# Allegro board 6089-119-RevA_41.brd (continued)
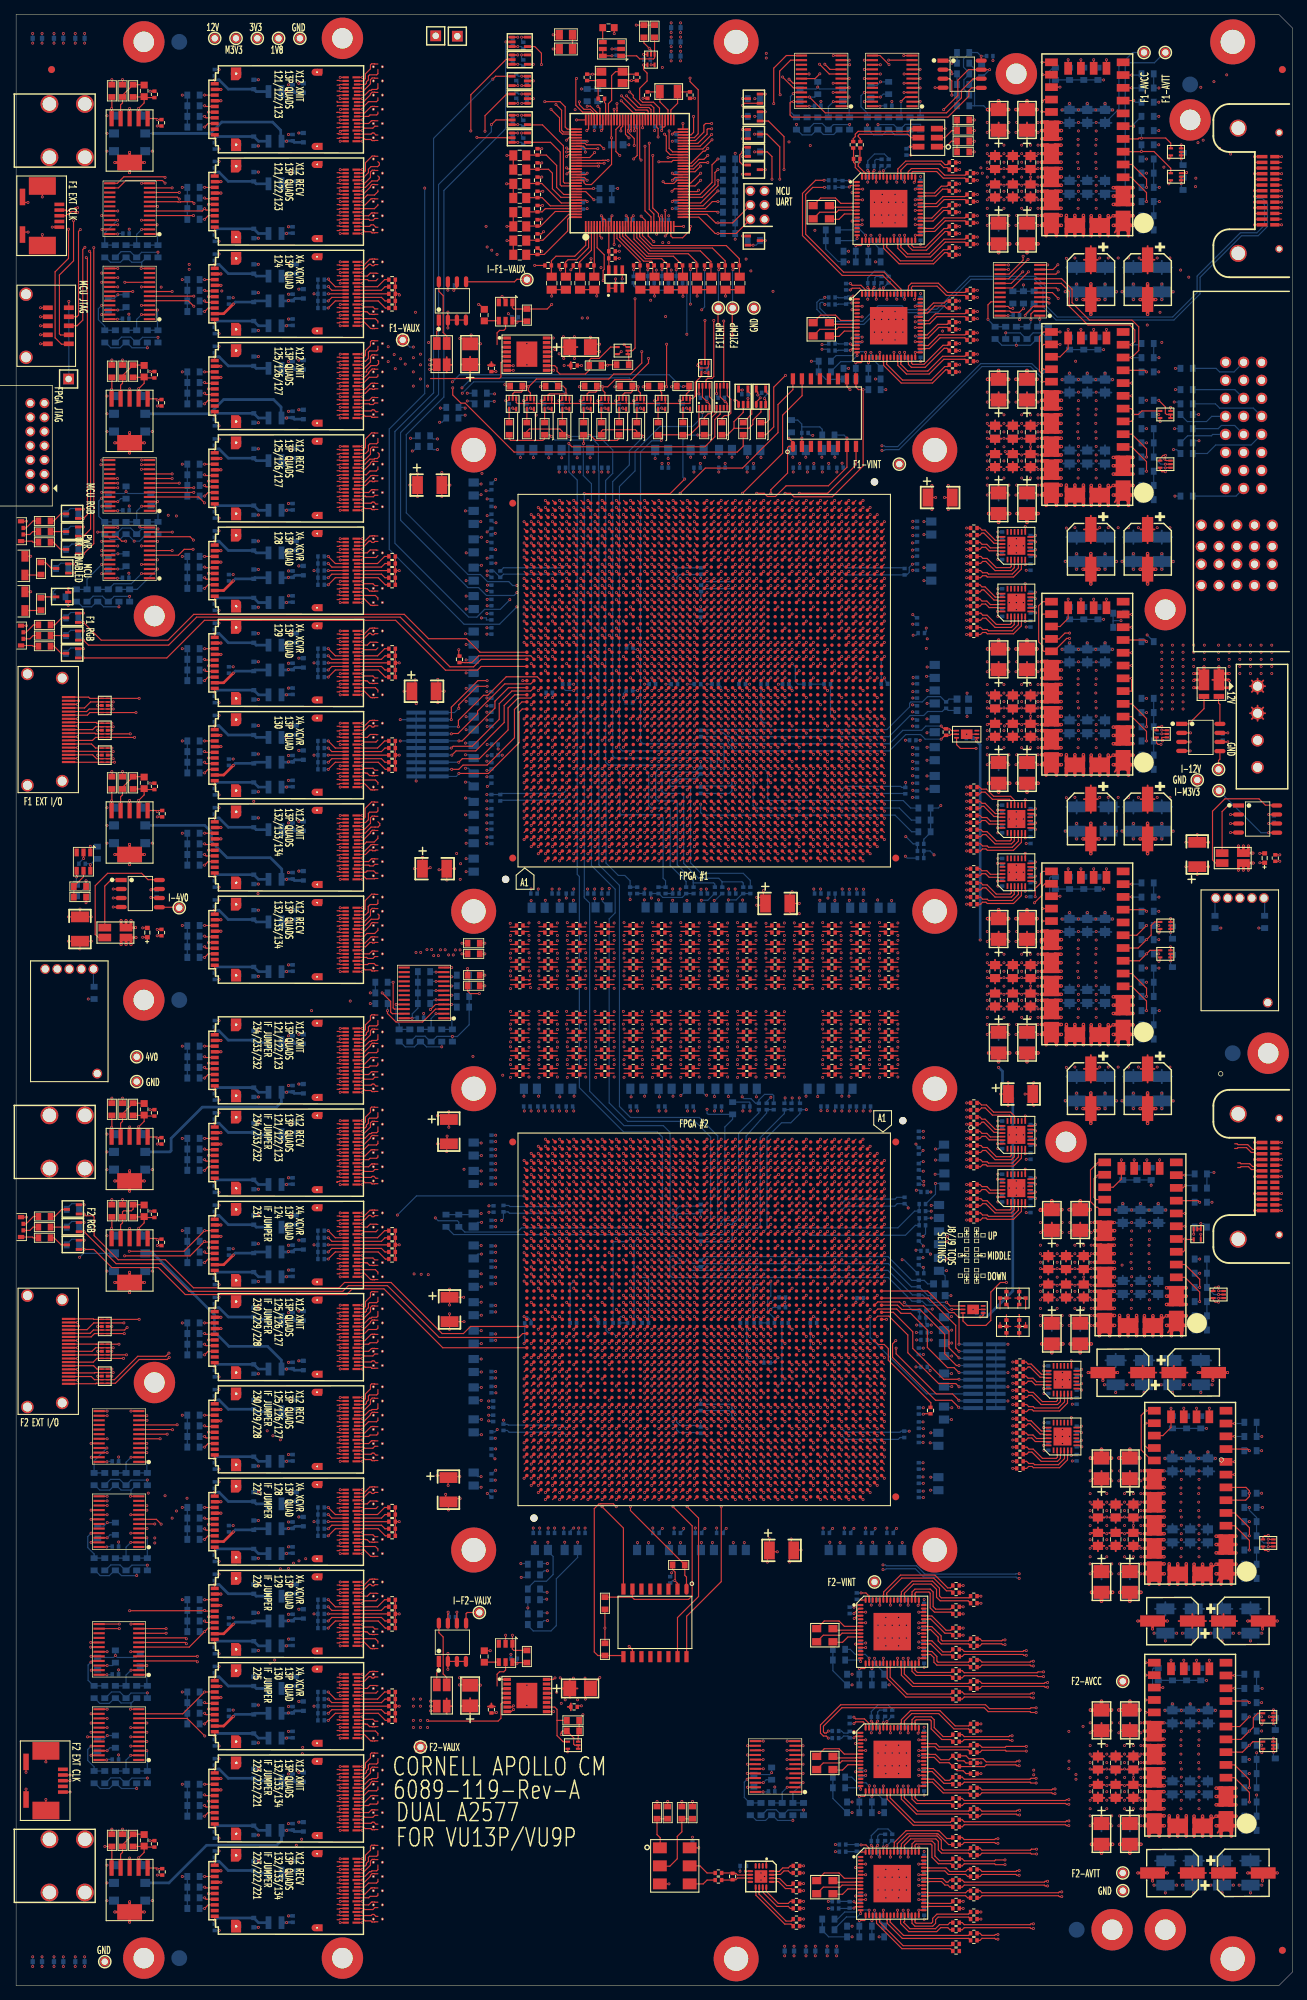
[diagram p0: board, top side]
## Routing (per net, layer and track width the routed paths; a pad name or vN(x,y) marks a point on that pad's centre or on a via; arc(x,y) is an arc through that point) (continued)
50.37,143.02 ; VA52.3 50.04,143.72 ; 50.37,266.02 VA3.3 ; VA3.3 49.98,266.4 ; VA3.3 50.04,266.72 ; VA3.3 50.04,266.08 ; VA3.3 49.95,266.59 ; VA3.3 49.95,266.21 ; VA3.3 50.18,265.99 ; VA3.3 50.37,266.78 ; VA12.4 51.96,247.72 ; VA12.4 52.05,247.59 ; VA12.4 52.05,247.21 ; VA12.4 52.02,247.4 ; VA12.4 51.63,247.02 ; VA12.4 51.96,247.08 ; VA12.4 51.82,247.81 ; VA12.4 51.63,247.78 ; VA3.4 51.96,266.72 ; VA3.4 51.82,266.81 ; VA3.4 51.63,266.78 ; VA3.4 51.63,266.02 ; VA3.4 52.02,266.4 ; VA3.4 51.96,266.08 ; VA3.4 52.05,266.59 ; VA3.4 52.05,266.21 ; J6.20 2.64,82 ; J6.20 1.15,80.51 ; J6.20 1.6,82.62 ; J6.20 2.4,80.75 ; J6.20 2.05,82.6 ; J6.20 2.66,81.55 ; J6.20 1.6,80.48 ; J6.20 2.4,82.36 ; U1.3 8.17,143.94 ; U1.3 7.5,142.39 ; U1.3 7.88,144.14 ; U1.3 6.83,142.6 ; U1.3 7.5,144.14 ; U1.3 7.12,142.4 ; U1.3 6.83,143.94 ; U1.3 8.17,142.6 ; 50.37,208.02 VA28.3 ; VA28.3 50.37,208.78 ; VA28.3 50.18,207.99 ; VA28.3 50.04,208.08 ; VA28.3 49.95,208.21 ; VA28.3 50.04,208.72 ; VA28.3 49.95,208.59 ; VA28.3 49.98,208.4 ; 50.04,50.22 VA87.4 ; VA87.4 49.98,49.9 ; VA87.4 50.04,49.58 ; VA87.4 50.37,49.52 ; VA87.4 49.95,49.71 ; VA87.4 50.18,49.49 ; VA87.4 50.37,50.28 ; VA87.4 49.95,50.09 ; J5.20 2.64,169.6 ; J5.20 2.4,169.96 ; J5.20 1.6,170.22 ; J5.20 1.15,168.11 ; J5.20 2.4,168.35 ; J5.20 2.66,169.15 ; J5.20 1.6,168.08 ; J5.20 2.05,170.2 ; 50.37,145.02 VA51.3 ; VA51.3 50.04,145.08 ; VA51.3 50.04,145.72 ; VA51.3 50.37,145.78 ; VA51.3 49.98,145.4 ; VA51.3 50.18,144.99 ; VA51.3 49.95,145.21 ; VA51.3 49.95,145.59 ; 49.95,69.71 VA81.3 ; VA81.3 50.04,69.58 ; VA81.3 49.98,69.9 ; VA81.3 50.18,69.49 ; VA81.3 49.95,70.09 ; VA81.3 50.04,70.22 ; VA81.3 50.37,70.28 ; VA81.3 50.37,69.52 ; 50.37,203.52 VA29.3 ; VA29.3 50.37,204.28 ; VA29.3 50.18,203.49 ; VA29.3 50.04,204.22 ; VA29.3 49.95,204.09 ; VA29.3 49.95,203.71 ; VA29.3 49.98,203.9 ; VA29.3 50.04,203.58 ; VA98.3 50.37,22.78 ; VA98.3 49.98,22.4 ; VA98.3 50.04,22.72 ; VA98.3 49.95,22.21 ; VA98.3 49.95,22.59 ; VA98.3 50.37,22.02 ; VA98.3 50.04,22.08 ; VA98.3 50.18,21.99 ; VA64.3 50.37,113.78 ; VA64.3 49.95,113.59 ; VA64.3 50.04,113.08 ; VA64.3 49.98,113.4 ; VA64.3 50.37,113.02 ; VA64.3 50.04,113.72 ; VA64.3 49.95,113.21 ; VA64.3 50.18,112.99 ; 50.18,213.99 VA25.3 ; VA25.3 49.95,214.59 ; VA25.3 49.95,214.21 ; VA25.3 50.37,214.78 ; VA25.3 49.98,214.4 ; VA25.3 50.37,214.02 ; VA25.3 50.04,214.72 ; VA25.3 50.04,214.08 ; 50.04,149.08 VA49.3 ; VA49.3 49.98,149.4 ; VA49.3 50.04,149.72 ; VA49.3 50.37,149.78 ; VA49.3 49.95,149.59 ; VA49.3 49.95,149.21 ; VA49.3 50.18,148.99 ; VA49.3 50.37,149.02 ; 50.18,90.99 VA72.3 ; VA72.3 49.95,91.21 ; VA72.3 50.04,91.72 ; VA72.3 49.98,91.4 ; VA72.3 50.04,91.08 ; VA72.3 50.37,91.78 ; VA72.3 50.37,91.02 ; VA72.3 49.95,91.59 ; 50.37,34.52 VA92.4 ; VA92.4 50.18,34.49 ; VA92.4 49.95,34.71 ; VA92.4 49.95,35.09 ; VA92.4 50.04,35.22 ; VA92.4 49.98,34.9 ; VA92.4 50.04,34.58 ; VA92.4 50.37,35.28 ; 50.04,257.08 VA7.3 ; VA7.3 49.98,257.4 ; VA7.3 49.95,257.21 ; VA7.3 50.04,257.72 ; VA7.3 49.95,257.59 ; VA7.3 50.37,257.78 ; VA7.3 50.37,257.02 ; VA7.3 50.18,256.99 ; 51.63,264.02 VA4.4 ; VA4.4 51.96,264.08 ; VA4.4 51.96,264.72 ; VA4.4 52.05,264.59 ; VA4.4 51.63,264.78 ; VA4.4 52.02,264.4 ; VA4.4 52.05,264.21 ; VA4.4 51.82,264.81 ; 49.98,160.4 VA44.3 ; VA44.3 49.95,160.59 ; VA44.3 50.37,160.02 ; VA44.3 50.18,159.99 ; VA44.3 50.37,160.78 ; VA44.3 49.95,160.21 ; VA44.3 50.04,160.08 ; VA44.3 50.04,160.72 ; 49.95,76.59 VA79.3 ; VA79.3 50.18,75.99 ; VA79.3 50.04,76.72 ; VA79.3 50.04,76.08 ; VA79.3 49.98,76.4 ; VA79.3 50.37,76.78 ; VA79.3 50.37,76.02 ; VA79.3 49.95,76.21 ; 49.98,106.9 VA66.3 ; VA66.3 50.04,106.58 ; VA66.3 50.18,106.49 ; VA66.3 50.37,107.28 ; VA66.3 50.37,106.52 ; VA66.3 49.95,106.71 ; VA66.3 50.04,107.22 ; VA66.3 49.95,107.09 ; 1.6,96.18 J6.23 ; J6.23 2.4,98.05 ; J6.23 2.05,98.29 ; J6.23 2.4,96.44 ; J6.23 2.66,97.25 ; J6.23 1.15,96.2 ; J6.23 1.6,98.32 ; J6.23 2.64,97.7 ; VA56.4 52.05,130.59 ; VA56.4 51.63,130.78 ; VA56.4 52.05,130.21 ; VA56.4 51.82,130.81 ; VA56.4 52.02,130.4 ; VA56.4 51.96,130.72 ; VA56.4 51.96,130.08 ; VA56.4 51.63,130.02 ; VA52.4 51.96,143.72 ; VA52.4 51.96,143.08 ; VA52.4 52.05,143.21 ; VA52.4 52.05,143.59 ; VA52.4 51.82,143.81 ; VA52.4 51.63,143.02 ; VA52.4 52.02,143.4 ; VA52.4 51.63,143.78 ; J5.21 7.31,168.93 ; J5.21 6.5,168.67 ; J5.21 7.31,170.54 ; J5.21 7.57,169.74 ; J5.21 5.43,169.74 ; J5.21 6.5,170.8 ; J5.21 5.69,168.93 ; J5.21 5.69,170.54 ; 50.04,84.72 VA75.3 ; VA75.3 49.95,84.59 ; VA75.3 49.95,84.21 ; VA75.3 50.37,84.02 ; VA75.3 49.98,84.4 ; VA75.3 50.04,84.08 ; VA75.3 50.37,84.78 ; VA75.3 50.18,83.99 ; 155.12,13.4 PM21.1 ; PM21.1 155.33,12.73 ; PM21.1 156,12.52 ; PM21.1 156.67,12.73 ; PM21.1 156.67,14.07 ; PM21.1 156,14.28 ; PM21.1 156.88,13.4 ; PM21.1 155.33,14.07 ; VA96.3 50.37,26.78 ; VA96.3 49.95,26.21 ; VA96.3 49.95,26.59 ; VA96.3 50.18,25.99 ; VA96.3 50.04,26.72 ; VA96.3 50.37,26.02 ; VA96.3 50.04,26.08 ; VA96.3 49.98,26.4 ; 50.04,121.72 VA60.3 ; VA60.3 50.04,121.08 ; VA60.3 49.95,121.59 ; VA60.3 49.98,121.4 ; VA60.3 50.37,121.78 ; VA60.3 49.95,121.21 ; VA60.3 50.37,121.02 ; VA60.3 50.18,120.99 ; 50.18,163.99 VA42.3 ; VA42.3 50.37,164.78 ; VA42.3 49.95,164.21 ; VA42.3 49.95,164.59 ; VA42.3 50.37,164.02 ; VA42.3 49.98,164.4 ; VA42.3 50.04,164.08 ; VA42.3 50.04,164.72 ; VA32.3 52.02,194.9 ; VA32.3 52.05,195.09 ; VA32.3 51.96,194.58 ; VA32.3 51.96,195.22 ; VA32.3 51.63,195.28 ; VA32.3 52.05,194.71 ; VA32.3 51.63,194.52 ; VA32.3 51.82,195.31 ; 50.18,263.99 VA4.3 ; VA4.3 50.04,264.72 ; VA4.3 49.95,264.21 ; VA4.3 49.98,264.4 ; VA4.3 49.95,264.59 ; VA4.3 50.37,264.78 ; VA4.3 50.37,264.02 ; VA4.3 50.04,264.08 ; 50.04,231.72 VA17.3 ; VA17.3 49.95,231.59 ; VA17.3 50.04,231.08 ; VA17.3 49.98,231.4 ; VA17.3 49.95,231.21 ; VA17.3 50.37,231.78 ; VA17.3 50.18,230.99 ; VA17.3 50.37,231.02 ; 50.04,117.08 VA62.3 ; VA62.3 49.95,117.21 ; VA62.3 49.98,117.4 ; VA62.3 50.04,117.72 ; VA62.3 49.95,117.59 ; VA62.3 50.37,117.02 ; VA62.3 50.18,116.99 ; VA62.3 50.37,117.78 ; 50.04,270.08 VA1.3 ; VA1.3 50.04,270.72 ; VA1.3 50.37,270.78 ; VA1.3 50.37,270.02 ; VA1.3 50.18,269.99 ; VA1.3 49.95,270.21 ; VA1.3 49.95,270.59 ; VA1.3 49.98,270.4 ; VA57.4 51.82,128.81 ; VA57.4 51.63,128.78 ; VA57.4 52.02,128.4 ; VA57.4 51.96,128.08 ; VA57.4 51.96,128.72 ; VA57.4 51.63,128.02 ; VA57.4 52.05,128.21 ; VA57.4 52.05,128.59 ; VA102.4 51.63,13.78 ; VA102.4 52.05,13.59 ; VA102.4 52.05,13.21 ; VA102.4 51.63,13.02 ; VA102.4 51.96,13.72 ; VA102.4 52.02,13.4 ; VA102.4 51.96,13.08 ; VA102.4 51.82,13.81 ; VA84.3 51.63,61.28 ; VA84.3 51.82,61.31 ; VA84.3 52.02,60.9 ; VA84.3 51.96,61.22 ; VA84.3 51.63,60.52 ; VA84.3 51.96,60.58 ; VA84.3 52.05,60.71 ; VA84.3 52.05,61.09 ; VA49.4 52.05,149.59 ; VA49.4 51.96,149.08 ; VA49.4 51.96,149.72 ; VA49.4 52.02,149.4 ; VA49.4 51.63,149.78 ; VA49.4 52.05,149.21 ; VA49.4 51.82,149.81 ; VA49.4 51.63,149.02 ; J6.22 7.31,97.47 ; J6.22 6.5,97.73 ; J6.22 5.69,95.86 ; J6.22 7.57,96.66 ; J6.22 5.43,96.66 ; J6.22 7.31,95.86 ; J6.22 6.5,95.6 ; J6.22 5.69,97.47 ; VA75.4 52.05,84.59 ; VA75.4 51.96,84.08 ; VA75.4 52.05,84.21 ; VA75.4 51.96,84.72 ; VA75.4 51.63,84.02 ; VA75.4 51.82,84.81 ; VA75.4 51.63,84.78 ; VA75.4 52.02,84.4 ; 49.95,225.59 VA20.3 ; VA20.3 50.37,225.02 ; VA20.3 50.18,224.99 ; VA20.3 49.95,225.21 ; VA20.3 49.98,225.4 ; VA20.3 50.04,225.08 ; VA20.3 50.37,225.78 ; VA20.3 50.04,225.72 ; VA47.3 50.37,153.78 ; VA47.3 50.04,153.72 ; VA47.3 50.18,152.99 ; VA47.3 49.98,153.4 ; VA47.3 49.95,153.59 ; VA47.3 49.95,153.21 ; VA47.3 50.37,153.02 ; VA47.3 50.04,153.08 ; 50.04,15.08 VA101.3 ; VA101.3 49.95,15.21 ; VA101.3 50.04,15.72 ; VA101.3 50.37,15.02 ; VA101.3 49.98,15.4 ; VA101.3 50.37,15.78 ; VA101.3 49.95,15.59 ; VA101.3 50.18,14.99 ; VA2.4 51.96,268.72 ; VA2.4 52.05,268.21 ; VA2.4 51.82,268.81 ; VA2.4 51.63,268.78 ; VA2.4 52.02,268.4 ; VA2.4 52.05,268.59 ; VA2.4 51.96,268.08 ; VA2.4 51.63,268.02 ; 50.04,123.72 VA59.3 ; VA59.3 49.98,123.4 ; VA59.3 50.04,123.08 ; VA59.3 49.95,123.59 ; VA59.3 50.37,123.02 ; VA59.3 50.37,123.78 ; VA59.3 50.18,122.99 ; VA59.3 49.95,123.21 ; VA18.3 50.37,229.78 ; VA18.3 50.04,229.08 ; VA18.3 50.18,228.99 ; VA18.3 50.04,229.72 ; VA18.3 49.95,229.21 ; VA18.3 50.37,229.02 ; VA18.3 49.95,229.59 ; VA18.3 49.98,229.4 ; 49.98,268.4 VA2.3 ; VA2.3 50.04,268.72 ; VA2.3 49.95,268.21 ; VA2.3 50.37,268.02 ; VA2.3 50.04,268.08 ; VA2.3 50.37,268.78 ; VA2.3 49.95,268.59 ; VA2.3 50.18,267.99 ; 50.37,177.52 VA37.3 ; VA37.3 50.04,178.22 ; VA37.3 49.95,177.71 ; VA37.3 50.37,178.28 ; VA37.3 49.95,178.09 ; VA37.3 50.04,177.58 ; VA37.3 49.98,177.9 ; VA37.3 50.18,177.49 ; VA50.4 51.96,147.72 ; VA50.4 51.63,147.02 ; VA50.4 51.63,147.78 ; VA50.4 52.05,147.59 ; VA50.4 52.05,147.21 ; VA50.4 52.02,147.4 ; VA50.4 51.96,147.08 ; VA50.4 51.82,147.81 ; VA48.4 52.02,151.4 ; VA48.4 52.05,151.21 ; VA48.4 51.82,151.81 ; VA48.4 51.63,151.78 ; VA48.4 51.96,151.72 ; VA48.4 52.05,151.59 ; VA48.4 51.63,151.02 ; VA48.4 51.96,151.08 ; 51.63,175.52 VA38.4 ; VA38.4 51.96,176.22 ; VA38.4 51.96,175.58 ; VA38.4 52.05,176.09 ; VA38.4 51.63,176.28 ; VA38.4 52.05,175.71 ; VA38.4 51.82,176.31 ; VA38.4 52.02,175.9 ; PM16.1 104.67,237.07 ; PM16.1 103.33,235.73 ; PM16.1 104,237.28 ; PM16.1 104.67,235.73 ; PM16.1 104.88,236.4 ; PM16.1 103.12,236.4 ; PM16.1 104,235.52 ; PM16.1 103.33,237.07 ; VA1.4 51.63,270.78 ; VA1.4 51.63,270.02 ; VA1.4 51.96,270.08 ; VA1.4 51.96,270.72 ; VA1.4 52.05,270.59 ; VA1.4 52.02,270.4 ; VA1.4 52.05,270.21 ; VA1.4 51.82,270.81 ; 49.98,99.9 VA68.4 ; VA68.4 49.95,99.71 ; VA68.4 50.18,99.49 ; VA68.4 50.37,99.52 ; VA68.4 50.04,100.22 ; VA68.4 50.04,99.58 ; VA68.4 50.37,100.28 ; VA68.4 49.95,100.09 ; VA40.4 50.37,169.28 ; VA40.4 49.98,168.9 ; VA40.4 50.04,168.58 ; VA40.4 50.37,168.52 ; VA40.4 49.95,169.09 ; VA40.4 49.95,168.71 ; VA40.4 50.18,168.49 ; VA40.4 50.04,169.22 ; 50.37,175.52 VA38.3 ; VA38.3 49.95,176.09 ; VA38.3 49.95,175.71 ; VA38.3 50.04,175.58 ; VA38.3 50.18,175.49 ; VA38.3 49.98,175.9 ; VA38.3 50.37,176.28 ; VA38.3 50.04,176.22 ; 50.04,158.72 VA45.3 ; VA45.3 50.37,158.02 ; VA45.3 50.37,158.78 ; VA45.3 49.98,158.4 ; VA45.3 50.04,158.08 ; VA45.3 50.18,157.99 ; VA45.3 49.95,158.21 ; VA45.3 49.95,158.59 ; 50.18,41.49 VA90.3 ; VA90.3 49.95,42.09 ; VA90.3 50.37,41.52 ; VA90.3 50.04,42.22 ; VA90.3 49.95,41.71 ; VA90.3 50.37,42.28 ; VA90.3 49.98,41.9 ; VA90.3 50.04,41.58 ; VA37.4 51.96,177.58 ; VA37.4 51.63,177.52 ; VA37.4 51.63,178.28 ; VA37.4 52.02,177.9 ; VA37.4 51.96,178.22 ; VA37.4 51.82,178.31 ; VA37.4 52.05,177.71 ; VA37.4 52.05,178.09 ; 50.04,115.72 VA63.3 ; VA63.3 50.37,115.78 ; VA63.3 49.95,115.59 ; VA63.3 49.98,115.4 ; VA63.3 50.18,114.99 ; VA63.3 49.95,115.21 ; VA63.3 50.37,115.02 ; VA63.3 50.04,115.08 ; 49.98,196.9 VA31.4 ; VA31.4 50.37,196.52 ; VA31.4 50.37,197.28 ; VA31.4 50.04,196.58 ; VA31.4 49.95,196.71 ; VA31.4 50.18,196.49 ; VA31.4 49.95,197.09 ; VA31.4 50.04,197.22 ; VA58.3 50.37,126.78 ; VA58.3 50.37,126.02 ; VA58.3 49.95,126.59 ; VA58.3 50.04,126.08 ; VA58.3 50.04,126.72 ; VA58.3 49.95,126.21 ; VA58.3 49.98,126.4 ; VA58.3 50.18,125.99 ; 50.18,220.99 VA22.3 ; VA22.3 49.98,221.4 ; VA22.3 49.95,221.21 ; VA22.3 50.37,221.78 ; VA22.3 50.04,221.72 ; VA22.3 50.37,221.02 ; VA22.3 50.04,221.08 ; VA22.3 49.95,221.59 ; 51.63,235.52 VA15.3 ; VA15.3 52.05,235.71 ; VA15.3 52.02,235.9 ; VA15.3 51.96,235.58 ; VA15.3 51.96,236.22 ; VA15.3 51.63,236.28 ; VA15.3 52.05,236.09 ; VA15.3 51.82,236.31 ; VA44.4 51.96,160.08 ; VA44.4 51.82,160.81 ; VA44.4 51.96,160.72 ; VA44.4 51.63,160.02 ; VA44.4 52.02,160.4 ; VA44.4 52.05,160.59 ; VA44.4 51.63,160.78 ; VA44.4 52.05,160.21 ; 50.18,96.99 VA69.3 ; VA69.3 50.04,97.08 ; VA69.3 49.95,97.21 ; VA69.3 50.04,97.72 ; VA69.3 49.95,97.59 ; VA69.3 50.37,97.02 ; VA69.3 49.98,97.4 ; VA69.3 50.37,97.78 ; 51.63,32.02 VA93.4 ; VA93.4 51.82,32.81 ; VA93.4 51.96,32.72 ; VA93.4 52.05,32.59 ; VA93.4 52.02,32.4 ; VA93.4 51.96,32.08 ; VA93.4 52.05,32.21 ; VA93.4 51.63,32.78 ; VA46.4 52.05,156.21 ; VA46.4 52.02,156.4 ; VA46.4 51.63,156.02 ; VA46.4 51.96,156.08 ; VA46.4 52.05,156.59 ; VA46.4 51.82,156.81 ; VA46.4 51.96,156.72 ; VA46.4 51.63,156.78 ; VA53.4 52.02,136.4 ; VA53.4 52.05,136.21 ; VA53.4 51.63,136.78 ; VA53.4 51.63,136.02 ; VA53.4 51.96,136.72 ; VA53.4 51.82,136.81 ; VA53.4 51.96,136.08 ; VA53.4 52.05,136.59 ; 50.18,56.49 VA85.3 ; VA85.3 50.37,56.52 ; VA85.3 50.37,57.28 ; VA85.3 50.04,56.58 ; VA85.3 50.04,57.22 ; VA85.3 49.98,56.9 ; VA85.3 49.95,57.09 ; VA85.3 49.95,56.71 ; VA18.4 51.63,229.78 ; VA18.4 52.02,229.4 ; VA18.4 51.96,229.72 ; VA18.4 51.63,229.02 ; VA18.4 52.05,229.59 ; VA18.4 51.82,229.81 ; VA18.4 52.05,229.21 ; VA18.4 51.96,229.08 ; VA79.4 51.96,76.72 ; VA79.4 51.82,76.81 ; VA79.4 51.63,76.78 ; VA79.4 52.05,76.59 ; VA79.4 52.05,76.21 ; VA79.4 51.96,76.08 ; VA79.4 51.63,76.02 ; VA79.4 52.02,76.4 ; 50.18,108.49 VA65.3 ; VA65.3 50.04,109.22 ; VA65.3 50.04,108.58 ; VA65.3 50.37,109.28 ; VA65.3 49.95,108.71 ; VA65.3 50.37,108.52 ; VA65.3 49.98,108.9 ; VA65.3 49.95,109.09 ; VA101.4 52.02,15.4 ; VA101.4 51.63,15.78 ; VA101.4 51.63,15.02 ; VA101.4 52.05,15.59 ; VA101.4 51.82,15.81 ; VA101.4 51.96,15.72 ; VA101.4 51.96,15.08 ; VA101.4 52.05,15.21 ; VA51.4 51.96,145.08 ; VA51.4 51.63,145.02 ; VA51.4 51.63,145.78 ; VA51.4 51.82,145.81 ; VA51.4 52.05,145.21 ; VA51.4 52.02,145.4 ; VA51.4 52.05,145.59 ; VA51.4 51.96,145.72 ; 11.83,4.07 PM1.1 ; PM1.1 13.17,4.07 ; PM1.1 11.83,2.73 ; PM1.1 13.38,3.4 ; PM1.1 12.5,2.52 ; PM1.1 12.5,4.28 ; PM1.1 11.62,3.4 ; PM1.1 13.17,2.73 ; 49.98,166.4 VA41.3 ; VA41.3 50.04,166.72 ; VA41.3 49.95,166.59 ; VA41.3 50.37,166.02 ; VA41.3 49.95,166.21 ; VA41.3 50.18,165.99 ; VA41.3 50.37,166.78 ; VA41.3 50.04,166.08 ; 50.04,11.72 VA103.3 ; VA103.3 49.98,11.4 ; VA103.3 49.95,11.21 ; VA103.3 50.04,11.08 ; VA103.3 50.37,11.78 ; VA103.3 50.37,11.02 ; VA103.3 49.95,11.59 ; VA103.3 50.18,10.99 ; VA95.4 51.82,28.81 ; VA95.4 51.96,28.72 ; VA95.4 51.63,28.02 ; VA95.4 51.96,28.08 ; VA95.4 51.63,28.78 ; VA95.4 52.02,28.4 ; VA95.4 52.05,28.59 ; VA95.4 52.05,28.21 ; VA91.3 51.96,37.22 ; VA91.3 52.05,37.09 ; VA91.3 51.63,36.52 ; VA91.3 51.96,36.58 ; VA91.3 52.05,36.71 ; VA91.3 51.63,37.28 ; VA91.3 52.02,36.9 ; VA91.3 51.82,37.31 ; VA45.4 52.05,158.59 ; VA45.4 51.96,158.72 ; VA45.4 51.82,158.81 ; VA45.4 51.63,158.78 ; VA45.4 52.02,158.4 ; VA45.4 51.96,158.08 ; VA45.4 51.63,158.02 ; VA45.4 52.05,158.21 ; VA94.4 52.02,30.4 ; VA94.4 51.63,30.02 ; VA94.4 51.96,30.72 ; VA94.4 52.05,30.21 ; VA94.4 51.82,30.81 ; VA94.4 51.63,30.78 ; VA94.4 51.96,30.08 ; VA94.4 52.05,30.59 ; 50.04,128.08 VA57.3 ; VA57.3 49.98,128.4 ; VA57.3 50.18,127.99 ; VA57.3 50.37,128.02 ; VA57.3 49.95,128.21 ; VA57.3 50.04,128.72 ; VA57.3 50.37,128.78 ; VA57.3 49.95,128.59 ; VA55.4 52.05,132.59 ; VA55.4 51.82,132.81 ; VA55.4 51.63,132.78 ; VA55.4 51.96,132.72 ; VA55.4 51.96,132.08 ; VA55.4 52.02,132.4 ; VA55.4 51.63,132.02 ; VA55.4 52.05,132.21 ; 49.98,54.9 VA86.3 ; VA86.3 50.04,55.22 ; VA86.3 50.37,55.28 ; VA86.3 49.95,54.71 ; VA86.3 49.95,55.09 ; VA86.3 50.37,54.52 ; VA86.3 50.04,54.58 ; VA86.3 50.18,54.49 ; VA66.4 51.63,107.28 ; VA66.4 51.63,106.52 ; VA66.4 52.02,106.9 ; VA66.4 52.05,106.71 ; VA66.4 51.96,107.22 ; VA66.4 51.82,107.31 ; VA66.4 52.05,107.09 ; VA66.4 51.96,106.58 ; 50.04,32.72 VA93.3 ; VA93.3 49.98,32.4 ; VA93.3 50.04,32.08 ; VA93.3 50.37,32.78 ; VA93.3 50.37,32.02 ; VA93.3 50.18,31.99 ; VA93.3 49.95,32.21 ; VA93.3 49.95,32.59 ; 16.33,126.73 PM3.1 ; PM3.1 17,128.28 ; PM3.1 16.33,128.07 ; PM3.1 17.67,126.73 ; PM3.1 17,126.52 ; PM3.1 17.88,127.4 ; PM3.1 16.12,127.4 ; PM3.1 17.67,128.07 ; VA85.4 52.05,57.09 ; VA85.4 51.82,57.31 ; VA85.4 51.96,56.58 ; VA85.4 51.63,57.28 ; VA85.4 52.05,56.71 ; VA85.4 51.96,57.22 ; VA85.4 52.02,56.9 ; VA85.4 51.63,56.52 ; VA80.4 51.82,74.81 ; VA80.4 51.96,74.72 ; VA80.4 52.02,74.4 ; VA80.4 52.05,74.21 ; VA80.4 51.63,74.78 ; VA80.4 52.05,74.59 ; VA80.4 51.96,74.08 ; VA80.4 51.63,74.02 ; VA58.4 52.05,126.59 ; VA58.4 51.63,126.78 ; VA58.4 52.05,126.21 ; VA58.4 52.02,126.4 ; VA58.4 51.96,126.08 ; VA58.4 51.63,126.02 ; VA58.4 51.96,126.72 ; VA58.4 51.82,126.81 ; VA72.4 51.96,91.08 ; VA72.4 51.63,91.78 ; VA72.4 51.82,91.81 ; VA72.4 51.63,91.02 ; VA72.4 51.96,91.72 ; VA72.4 52.02,91.4 ; VA72.4 52.05,91.59 ; VA72.4 52.05,91.21 ; VA81.4 52.05,69.71 ; VA81.4 51.63,69.52 ; VA81.4 51.96,70.22 ; VA81.4 52.02,69.9 ; VA81.4 51.82,70.31 ; VA81.4 52.05,70.09 ; VA81.4 51.63,70.28 ; VA81.4 51.96,69.58 ; VA10.3 50.37,251.78 ; VA10.3 49.95,251.21 ; VA10.3 49.98,251.4 ; VA10.3 50.04,251.08 ; VA10.3 49.95,251.59 ; VA10.3 50.04,251.72 ; VA10.3 50.37,251.02 ; VA10.3 50.18,250.99 ; VA39.3 52.05,170.71 ; VA39.3 51.63,170.52 ; VA39.3 52.02,170.9 ; VA39.3 51.63,171.28 ; VA39.3 52.05,171.09 ; VA39.3 51.96,171.22 ; VA39.3 51.96,170.58 ; VA39.3 51.82,171.31 ; 50.18,155.99 VA46.3 ; VA46.3 50.37,156.78 ; VA46.3 49.95,156.59 ; VA46.3 50.04,156.08 ; VA46.3 49.98,156.4 ; VA46.3 49.95,156.21 ; VA46.3 50.04,156.72 ; VA46.3 50.37,156.02 ; VA53.3 50.37,136.78 ; VA53.3 50.37,136.02 ; VA53.3 50.18,135.99 ; VA53.3 50.04,136.08 ; VA53.3 50.04,136.72 ; VA53.3 49.98,136.4 ; VA53.3 49.95,136.59 ; VA53.3 49.95,136.21 ; 49.95,210.59 VA27.3 ; VA27.3 49.98,210.4 ; VA27.3 50.04,210.72 ; VA27.3 50.37,210.78 ; VA27.3 50.37,210.02 ; VA27.3 49.95,210.21 ; VA27.3 50.04,210.08 ; VA27.3 50.18,209.99 ; VA69.4 51.82,97.81 ; VA69.4 51.96,97.72 ; VA69.4 52.05,97.21 ; VA69.4 51.96,97.08 ; VA69.4 52.05,97.59 ; VA69.4 52.02,97.4 ; VA69.4 51.63,97.02 ; VA69.4 51.63,97.78 ; 51.63,67.52 VA82.4 ; VA82.4 51.96,68.22 ; VA82.4 52.02,67.9 ; VA82.4 52.05,68.09 ; VA82.4 52.05,67.71 ; VA82.4 51.96,67.58 ; VA82.4 51.82,68.31 ; VA82.4 51.63,68.28 ; VA8.4 51.96,255.08 ; VA8.4 51.82,255.81 ; VA8.4 52.05,255.21 ; VA8.4 51.96,255.72 ; VA8.4 52.02,255.4 ; VA8.4 51.63,255.78 ; VA8.4 52.05,255.59 ; VA8.4 51.63,255.02 ; 49.95,216.59 VA24.3 ; VA24.3 50.04,216.08 ; VA24.3 50.37,216.02 ; VA24.3 50.18,215.99 ; VA24.3 50.04,216.72 ; VA24.3 49.95,216.21 ; VA24.3 49.98,216.4 ; VA24.3 50.37,216.78 ; PM24.1 167.17,170.57 ; PM24.1 166.5,170.78 ; PM24.1 165.83,169.23 ; PM24.1 165.83,170.57 ; PM24.1 165.62,169.9 ; PM24.1 166.5,169.02 ; PM24.1 167.38,169.9 ; PM24.1 167.17,169.23 ; VA22.4 52.05,221.59 ; VA22.4 51.96,221.08 ; VA22.4 51.63,221.78 ; VA22.4 52.02,221.4 ; VA22.4 51.82,221.81 ; VA22.4 52.05,221.21 ; VA22.4 51.96,221.72 ; VA22.4 51.63,221.02 ; 49.95,243.09 VA13.3 ; VA13.3 50.37,243.28 ; VA13.3 50.04,243.22 ; VA13.3 50.37,242.52 ; VA13.3 49.98,242.9 ; VA13.3 49.95,242.71 ; VA13.3 50.04,242.58 ; VA13.3 50.18,242.49